# Altium PCB Battery Management System.PcbDoc (continued)
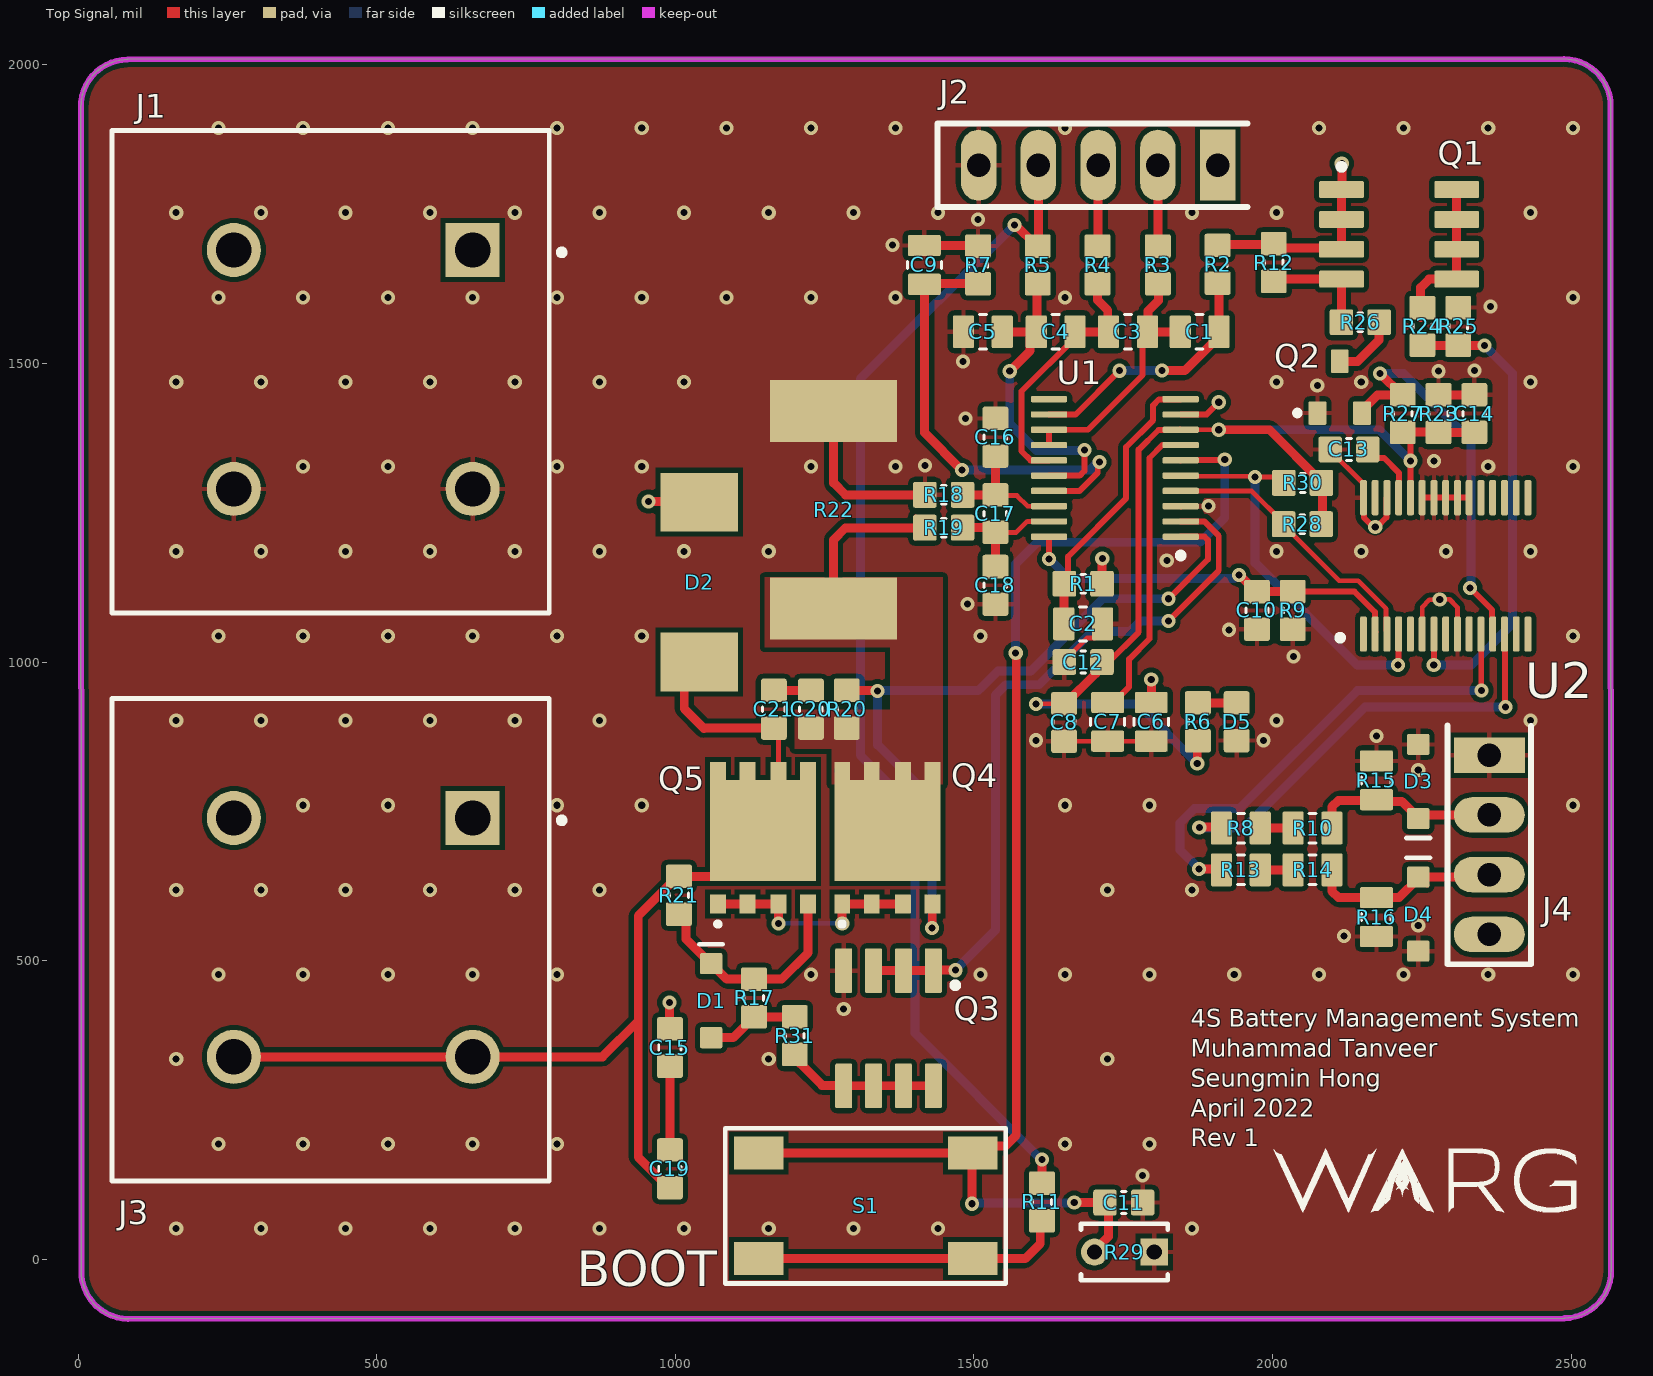
[diagram p0: Top Signal view]
## Components (designator, comment, footprint, x,y, rotation, side; value= is the part's Value field where it differs from the comment)
C1 "CAP_1uF_50V_0805" CAP0805 1878,1553 r0 top value=1uF
C2 "CAP_10uF_50V_0805" CAP0805 1683,1064 r180 top value=10μF
C3 "CAP_1uF_50V_0805" CAP0805 1758,1553 r0 top value=1uF
C4 "CAP_1uF_50V_0805" CAP0805 1637,1553 r0 top value=1uF
C5 "CAP_1uF_50V_0805" CAP0805 1515,1553 r0 top value=1uF
C6 "CAP_1uF_50V_0805" CAP0805 1797,900 r90 top value=1uF
C7 "CAP_1uF_50V_0805" CAP0805 1724,900 r90 top value=1uF
C8 "CAP_4.7uF_25V_0603" CAP0603 1651,899 r90 top value=4.7uF
C9 "CAP_1uF_50V_0805" CAP0805 1417,1665 r270 top value=1uF
C10 "CAP_470pF_100V_0603" CAP0603 1974,1086.5 r90 top value=470pF
C11 "CAP_4700pF_100V_0603_TDK" CAP0603 1751,95 r180 top value=4700pF
C12 "CAP_4.7uF_25V_0603" CAP0603 1683,1000 r0 top value=4.7uF
C13 "CAP_0.1uF_25V_0603" CAP0603 2128,1356 r0 top value=0.1uF
C14 "CAP_0.1uF_50V_0603" CAP0603 2338,1416 r270 top value=0.1uF
C15 "CAP_0.1uF_50V_0603" CAP0603 991,354.5 r90 top value=0.1uF
C16 "CAP_0.1uF_50V_0603" CAP0603 1536,1376.5 r270 top value=0.1uF
C17 "CAP_0.1uF_50V_0603" CAP0603 1536,1248.5 r270 top value=0.1uF
C18 "CAP_0.1uF_50V_0603" CAP0603 1536,1128.5 r270 top value=0.1uF
C19 "CAP_0.1uF_50V_0603" CAP0603 991,151.5 r90 top value=0.1uF
C20 "CAP_0.1uF_50V_0603" CAP0603 1227,921 r90 top value=0.1uF
C21 "CAP_0.1uF_50V_0603" CAP0603 1165,921 r270 top value=0.1uF
D1 "DIO_100V_150mA" DIO-SOD123 1060,433 r90 top
D2 "DIO_600V_3A" SMC 1040,1133.86 r90 top
D3 "DIO_ZENER_5.6V" DIO-SOD123 2244,800 r270 top
D4 "DIO_ZENER_5.6V" DIO-SOD123 2244,578 r90 top
D5 "LED_GREEN_2.1V_0603" LED0603 1940,900 r270 top
J1 "CON_2POS_SCREW_TERM" 1773976 423,1486 r270 top
J2 "CON_5X1_2.54MM_MALE_TH_HDR_2" 0022032051 1908,1832 r180 top
J3 "CON_2POS_SCREW_TERM" 1773976 423,535 r270 top
J4 "CON_4POSX2.54_MALE_HDR_UNSHROUDED" 0022032041 2363,844 r270 top
Q1 "PMOS_50V_130mA" 8SOIC 2212,1717 r0 top
Q2 "NMOS_50V_500mA" SOT23-3 2075.2,1417 r90 top
Q3 "PMOS_50V_130mA" 8SOIC 1357.82,386.82 r270 top
Q4 "NMOS_30V_87A" CSD17522Q5A 1355,706 r90 top
Q5 "NMOS_30V_87A" CSD17522Q5A 1147,706 r90 top
R1 "RES_0Ω_0603" RES0603 1683,1131 r0 top value=100Ω
R2 "RES_0Ω_0603" RES0603 1908,1666 r270 top value=100Ω
R3 "RES_0Ω_0603" RES0603 1808,1665 r270 top value=100Ω
R4 "RES_0Ω_0603" RES0603 1707,1665 r270 top value=100Ω
R5 "RES_0Ω_0603" RES0603 1607,1665 r270 top value=100Ω
R6 "RES_3kΩ_0603_1%" RES0603 1875,900 r270 top
R7 "RES_0Ω_0603" RES0603 1507,1665 r270 top value=100Ω
R8 "100Ω" RES0805 1947,722 r0 top value=1MΩ
R9 "RES_1MΩ_0603_1%" RES0603 2034,1086.5 r90 top value=1MΩ
R10 "100Ω" RES0805 2067,722 r0 top value=1MΩ
R11 "RES_3.01kΩ_0603_1%" RES0603 1614,96 r270 top
R12 "RES_100kΩ_0603_1%" RES0603 2002,1669 r90 top value=100kΩ
R13 "100Ω" RES0805 1947,652 r0 top value=1MΩ
R14 "100Ω" RES0805 2067,652 r0 top value=1MΩ
R15 "1MΩ" RES0805 2174,802 r270 top
R16 "1MΩ" RES0805 2174,573 r90 top
R17 "RES_1MΩ_0603_1%" RES0603 1132,437.5 r270 top value=1MΩ
R18 "RES_0Ω_0603" RES0603 1449.5,1280 r0 top value=100Ω
R19 "RES_0Ω_0603" RES0603 1449.5,1225 r0 top value=100Ω
R20 "RES_1MΩ_0603_1%" RES0603 1287,921 r90 top value=1MΩ
R21 "RES_1MΩ_0603_1%" RES0603 1006,609.5 r270 top value=1MΩ
R22 "RES_200µΩ_3920_1%" CSS2H-3920R-L200F 1265,1255 r270 top
R23 "RES_100kΩ_0603_1%" RES0603 2278,1416 r270 top value=100kΩ
R24 "RES_330kΩ_0603_1%" RES0603 2251,1562 r90 top
R25 "RES_20kΩ_0603_1%" RES0603 2311,1562 r270 top
R26 "RES_100kΩ_0603_1%" RES0603 2147,1569 r180 top value=100kΩ
R27 "RES_100kΩ_0603_1%" RES0603 2218,1416 r90 top value=100kΩ
R28 "RES_10kΩ_0603_1%" RES0603 2050,1230.87 r0 top value=10kΩ
R29 "NTC_THERM_10kΩ_1%" RES_SEMITEC_10K 1752,12 r180 top value=10kΩ
R30 "RES_10kΩ_0603_1%" RES0603 2050.5,1300 r0 top value=10kΩ
R31 "RES_1kΩ_0603_1%" RES0603 1200,374.5 r270 top value=1kΩ
S1 "SWITCH_SPST_NO" TL3301NF160QG/TR 1139.73,1 r0 top
U1 "BQ7692006PWR" BQ7692006PWR 1736,1325 r180 top
U2 "BQ78350DBTR-R1A" BQ78350DBTR-R1A 2290,1161 r90 top

## Footprints (in the part's own frame and the unit in brackets; to place one, negate y for a bottom-side part, rotate by r counter-clockwise, add the part's x,y. Pads: shape width x height; smd on the part's side, far side on the other; paste and mask are expansions set on the pad)
8SOIC [mm] "MOSFET P-CH 30V 14A SO-8"
  rrect15% 1.9x0.72 smd: 1(-2.45,-0.656) 1(-2.45,0.614) 1(-2.45,1.884) 2(-2.45,-1.926) 3(2.45,-1.926) 3(2.45,-0.656) 3(2.45,0.614) 3(2.45,1.884)
  silkscreen extent -2.57,2.73 -2.32,2.97, body extent -3,-2.45 3,2.45, height 1.75
1773976 [mm]
  rect 2.3x2.3 hole 1.5 paste-1000 mask+0: 1(-5.18,6.04)
  round 2.3 hole 1.5 paste-1000 mask+0: 1(-5.18,-4.12) 2(4.98,6.04) 2(4.98,-4.12)
  silkscreen extent -10.26,-9.3 10.26,9.95, body extent -11.21,-9.4 10.36,9.4, height 0.25
0022032041 [mm] "Male 4 Pin Hdr Unshrouded"
  rect 1.508x3.016 hole 1: 1(0,0)
  oval 1.508x3.016 hole 1: 2(2.54,0) 3(5.08,0) 4(7.62,0)
  silkscreen extent -1.27,-1.78 8.89,1.78, body extent -1.14,-1.17 8.76,1.17, height 10.8
0022032051 [mm] "5 Pin Male Header"
  rect 1.508x3.016 hole 1: 1(0,0)
  oval 1.508x3.016 hole 1: 2(2.54,0) 3(5.08,0) 4(7.62,0) 5(10.16,0)
  silkscreen extent -1.27,-1.78 11.91,1.78, body extent -1.14,-1.17 11.3,1.17, height 10.8
BQ78350DBTR-R1A [mm]
  rrect50% 1.5x0.297 smd: 1(-2.9,3.5) 2(-2.9,3) 3(-2.9,2.5) 4(-2.9,2) 5(-2.9,1.5) 6(-2.9,1) 7(-2.9,0.5) 8(-2.9,0) 9(-2.9,-0.5) 10(-2.9,-1) 11(-2.9,-1.5) 12(-2.9,-2) 13(-2.9,-2.5) 14(-2.9,-3) 15(-2.9,-3.5) 16(2.9,-3.5) 17(2.9,-3) 18(2.9,-2.5) 19(2.9,-2) 20(2.9,-1.5) 21(2.9,-1) 22(2.9,-0.5) 23(2.9,0) 24(2.9,0.5) 25(2.9,1) 26(2.9,1.5) 27(2.9,2) 28(2.9,2.5) 29(2.9,3) 30(2.9,3.5)
  silkscreen extent -3.18,4.36 -2.93,4.61, body extent -3.2,-3.9 3.2,3.9, height 1.13
BQ7692006PWR [mm] "IC BATT MON MULTI 3-5C 20TSSOP"
  rrect50% 1.55x0.27 smd: 1(-2.8,2.925) 2(-2.8,2.275) 3(-2.8,1.625) 4(-2.8,0.975) 5(-2.8,0.325) 6(-2.8,-0.325) 7(-2.8,-0.975) 8(-2.8,-1.625) 9(-2.8,-2.275) 10(-2.8,-2.925) 11(2.8,-2.925) 12(2.8,-2.275) 13(2.8,-1.625) 14(2.8,-0.975) 15(2.8,-0.325) 16(2.8,0.325) 17(2.8,0.975) 18(2.8,1.625) 19(2.8,2.275) 20(2.8,2.925)
  silkscreen extent -2.93,3.6 -2.68,3.85, body extent -3.2,-3.25 3.2,3.25, height 1.13
CAP0603 [mm] "Ceramic Capacitor 0603"
  rrect20% 1x1.1 smd: 1(-0.8,0) 2(0.8,0)
  silkscreen extent -0.1,-0.48 0.1,0.48, body extent -0.87,-0.48 0.88,0.48, height 0.87
CAP0805 [mm] "Ceramic Capacitor 0805"
  rrect15% 0.9x1.4 smd: 1(-0.825,0) 2(0.825,0)
  silkscreen extent -0.15,-0.72 0.15,0.72, body extent -1.1,-0.73 1.1,0.73, height 1.39
CSD17522Q5A [mm]
  rect 4.295x4.51 smd paste-3: 1(0.301,0)
  rect 0.8x0.675 smd paste-1: 1(2.825,-1.917) 1(2.825,-0.66) 1(2.825,0.66) 1(2.825,1.917) 2(-2.826,-1.917) 3(-2.826,-0.66) 3(-2.826,0.66) 3(-2.826,1.917)
  silkscreen extent -3.72,1.88 -3.63,1.97, body extent -3.13,-2.45 3.13,2.45, height 1.16
CSS2H-3920R-L200F [mm]
  rect 2.65x5.4 smd: 1(-4.2,0) 2(4.2,0)
  body extent -5.02,-2.6 5.02,2.6, height 1.3
DIO-SOD123 [mm]
  rrect15% 0.9x0.95 smd: 1(-1.575,0) 2(1.575,0)
  silkscreen extent 2.4,-0.5 2.4,0.5, body extent -1.92,-0.84 1.93,0.86, height 1.46
LED0603 [mm] "Generic LED in 0603 package"
  rrect20% 1x1.1 smd: 1(-0.8,0) 2(0.8,0)
  body extent -0.81,-0.4 0.81,0.4, height 0.6
RES0603 [mm] "SMT Resistor 0603"
  rrect15% 1x1.1 smd: 1(-0.8,0) 2(0.8,0)
  silkscreen extent -0.1,-0.4 0.1,0.4, body extent -0.8,-0.4 0.8,0.4, height 0.46
RES0805 [mm] "SMT Resistor 0805"
  rrect15% 0.9x1.4 smd: 1(-0.825,0) 2(0.825,0)
  silkscreen extent -0.15,-0.63 0.15,0.63, body extent -1,-0.62 1,0.63, height 0.61
RES_SEMITEC_10K [mm]
  rect 1.15x1.15 hole 0.65 paste-1000 mask+0: 1(-1.27,0)
  round 1.15 hole 0.65 paste-1000 mask+0: 2(1.27,0)
  silkscreen extent -1.85,-1.2 1.85,1.2, body extent -1.95,-1.3 1.95,1.3, height 0.25
SMC [mm]
  rect 2.5x3.3 smd: 1(-3.4,0) 2(3.4,0)
  body extent -3.97,-2.95 3.97,2.95, height 2.5
SOT23-3 [mm] "SOT23, 3-Leads, Body 2.90x2.30mm, Pitch 0.95mm, IPC Medium Density"
  rrect15% 1x0.764 smd: 1(0,0) 2(0,-1.9) 3(2.2,-0.95)
  silkscreen extent -0.1,0.75 0.1,0.95, body extent -0.15,-2.45 2.45,0.55, height 1.1
TL3301NF160QG/TR [mm]
  rect 2.1x1.4 smd: 1(0,0) 2(9.1,0) 3(0,4.5) 4(9.1,4.5)
  silkscreen extent -1.42,-1.06 10.5,5.55, body extent -0.5,-0.7 9.5,5.3, height 4.41

## Part data
C1 C3 C4 C5 C6 C7 C9: library part CAP_1uF_50V_0805_MURATA, "CAP CER 1UF 50V X7R ±10% 0805", Manufacturer 1="Murata Electronics", Manufacturer Part Number 1=GCJ21BR71H105KA01L, Package=0805, Supplier Part Number 1=490-10667-1-ND, Temperature Coefficient=X7R, Tolerance=±10%, Voltage=50V, Mounting Type="Surface Mount", Supplier 1=Digi-Key
C2: library part CAP_10uF_50V_0805_MURATA, "CAP CER 10UF 50V X5R ±10% 0805", LCSC Part #=C440198, Manufacturer 1="Murata Electronics", Manufacturer Part Number 1=GRM21BR61H106KE43L, Package=0805, Temperature Coefficient=X5R, Tolerance=±10%, Voltage=50V, Mounting Type="Surface Mount", Supplier 1=LCSC, Supplier 2=Digi-Key, Supplier Part Number 1=C440198, Supplier Part Number 2=490-18663-1-ND
C8 C12: library part CAP_4.7uF_25V_0603_MURATA, "CAP CER 4.7UF 25V X6S ±10% 0603", Manufacturer 1="Murata Electronics", Manufacturer Part Number 1=GRM188C81E475KE11D, Package=0603, Supplier Part Number 1=490-7199-1-ND, Temperature Coefficient=X6S, Tolerance=±10%, Voltage=25V, Mounting Type="Surface Mount", Supplier 1=Digi-Key
C10: library part CAP_470pF_100V_0603_MURATA, "CAP CER 470PF 100V C0G/NP0 ±5% 0603", Manufacturer 1="Murata Electronics", Manufacturer Part Number 1=GCM1885C2A471JA16D, Package=0603, Supplier Part Number 1=490-4949-1-ND, Temperature Coefficient=C0G/NP0, Tolerance=±5%, Voltage Rating=100V, Mounting Type="Surface Mount", Supplier 1=Digi-Key
C11: "CAP CER 4700PF 100V X7R 0603", Manufacturer 1="TDK Corporation", Manufacturer Part Number 1=CGA3E2X7R2A472K080AA, Package=0603, Supplier Part Number 1=445-5810-1-ND, Temperature Coefficient=C0G/NP0, Tolerance=±10%, Voltage Rating=100V, Mounting Type="Surface Mount", Supplier 1=Digi-Key
C13: library part CAP_0.1uF_25V_0603_MURATA, "CAP CER 0.1UF 25V X7R ±10% 0603", Manufacturer 1="Murata Electronics", Manufacturer Part Number 1=GCM188R71E104KA57D, Package=0603, Supplier Part Number 1=490-6051-1-ND, Temperature Coefficient=X7R, Tolerance=±10%, Voltage=25V, Mounting Type="Surface Mount", Supplier 1=Digi-Key
C14 C15 C16 C17 C18 C19 C20 C21: library part CAP_0.1uF_50V_0603_KEMET, "CAP CER 0.1UF 50V X7R ±10% 0603", Manufacturer 1="Walsin Technology Corporation", Manufacturer Part Number 1=0603B104K500CT, Package=0603, Supplier Part Number 1=1292-1643-1-ND, Temperature Coefficient=X7R, Tolerance=±10%, Voltage=50V, Mounting Type="Surface Mount", Supplier 1=DigiKey
D1: "DIODE GEN PURP 100V 150MA SOD123", Forward Voltage="0.855V @ 10mA", Manufacturer 1="Diodes Incorporated", Manufacturer Part Number 1=DDZ5V6B-7, Maximum Power=400mW, Package=SOD-123, Reverse Leakage Current="1 μA @ 75V", Supplier Part Number 1=BAV16W-FDICT-ND, Mounting Type="Surface Mount", Supplier 1=Digi-Key
D2: "DIODE GEN PURP 600V 3A SMC", Average Rectified Current=3A, Continuous Reverse Voltage (Max)=600V, Forward Voltage=1.15V, Manufacturer 1="Diodes Incorporated", Manufacturer Part Number 1=S3J-13-F, Package=SMC, Reverse Leakage Current="10 μA @ 600V", Supplier Part Number 1=S3J-FDICT-ND, Mounting Type="Surface Mount", Supplier 1=Digi-Key
D3 D4: "DIODE ZENER 5.6V 370MW SOD123", Forward Voltage="900 mV @ 10 mA", Manufacturer 1="Diodes Incorporated", Manufacturer Part Number 1=BZT52C5V6-13-F, Maximum Power=370mW, Package=SOD-123, Reverse Leakage Current="1 µA @ 2 V", Supplier Part Number 1=BZT52C5V6-13-FDICT-ND, Zener Voltage=5.6V, Mounting Type="Surface Mount", Supplier 1=Digi-Key
D5: "LED GREEN 2.1V 0603", Color=Green, Forward Voltage=2.1V, Manufacturer 1=SunLED, Manufacturer Part Number 1=XZVG53W-8, Package=0603, Supplier Part Number 1=1497-1215-1-ND, Mounting Type="Surface Mount", Supplier 1=Digi-Key
J1 J3: library part "TERM BLK 2P SIDE ENT 10.16MM PCB", "TERM BLK 2P SIDE ENT 10.16MM PCB", Manufacturer 1=1773976, Supplier Part Number 1=277-5761-ND, Manufacturer Part Number 1=1773976, Mounting Type="Through Hole", Pitch=5mm, Supplier 1=Digi-Key
J2: "CONN HEADER VERT 5POS 2.54MM", Manufacturer 1=Molex, Manufacturer Part Number 1=0022102051, Supplier Part Number 1=23-0022102051-ND, Connector Type=Header, Contact Type="Male Pin", Mounting Type="Through Hole", Number of Positions=5, Number of Rows=1, Pitch=2.54mm, Supplier 1=Digi-Key
J4: "CONN HEADER VERT 4POS 2.54MM. Connector Header Through Hole 4 position 0.100\" (2.54mm).", Manufacturer 1=Molex, Manufacturer 1 Part Number=0022032041, Supplier Part Number 1=WM4002-ND, Supplier 1=Digi-Key
Q1 Q3: "MOSFET P-CH 50V 130mA SOT323", Continuous Drain Current (Id)=-130mA, Drain to Source Resistance (Rds(on)) Max.=10Ω, Drain to Source Voltage (Vdss) Max.=-50V, Gate Threshold Voltage (Vgs(th))=-1.6V, Gate to Source Voltage (Vgs)=±20V, Manufacturer 1="Diodes Incorporated", Manufacturer Part Number 1=BSS84W-7-F, Package=SOT-323, Supplier Part Number 1=BSS84W-FDICT-ND, Supplier 1=Digi-Key
Q2: "MOSFET N-CH 50V 500MA SOT23", Continuous Drain Current (Id) TA=25°C=500mA, Drain to Source Resistance On (Rds(on)) Max.=1.6Ω, Drain to Source Voltage (Vdss) Max.=50V, Gate to Source Voltage (Vgs) Max. @ Vgs = 4.5V=±20V, Gate to Source Voltage Threshold (Vgs(th)) Max.=1.5V, Manufacturer 1="Diodes Incorporated", Manufacturer Part Number 1=DMN53D0LQ-7, Package=SOT23-3, Supplier Part Number 1=DMN53D0LQ-7DICT-ND, FET Type=N-Channel, Mounting Type="Surface Mount", Supplier 1=Digi-Key
Q4 Q5: "MOSFET N-CH 30V 87A 8VSON", Manufacturer 1="Infineon Technologies", Manufacturer Part Number 1=CSD17522Q5A, Max Power Dissipation=3W, Supplier Part Number 1=296-29020-1-ND, Supplier 1=Digi-Key
R1 R2 R3 R4 R5 R7 R18 R19: library part RES_100Ω_0603, "RES 100 OHM 5% 1/10W 0603", Manufacturer 1=YAGEO, Manufacturer Part Number 1=RC0603JR-13100RL, Package=0603, Power Rating=1/10W, Supplier Part Number 1=13-RC0603JR-13100RLCT-ND, Mounting Type="Surface Mount", Supplier 1=Digi-Key
R6: "RES 3K OHM 1% 1/10W 0603", Manufacturer 1=YAGEO, Manufacturer Part Number 1=RC0603FR-073KL, Package=0603, Power Rating=1/10W, Resistance=3kΩ, Supplier Part Number 1=311-3.00KHRCT-ND, Tolerance=±1%, Mounting Type="Surface Mount", Supplier 1=Digi-Key
R8 R10 R13 R14 R15 R16: library part RES_0805, "RES 100 OHM 1% 1/10W 0805"
R9 R17 R20 R21: library part RES_1MΩ_0603_5%, "RES 1M OHM 5% 1/10W 0603", Manufacturer 1="Stackpole Electronics Inc", Manufacturer Part Number 1=RMCF0603JT1M00, Package=0603, Power Rating=1/10W, Supplier Part Number 1=RMCF0603JT1M00CT-ND, Tolerance=±5%, Mounting Type="Surface Mount", Supplier 1=Digi-Key
R11: "RES 3.01K OHM 1% 1/10W 0603", Manufacturer 1=YAGEO, Manufacturer Part Number 1=RC0603FR-073K01L, Package=0603, Power Rating=1/10W, Resistance=3.01kΩ, Supplier Part Number 1=311-3.01KHRCT-ND, Tolerance=±1%, Mounting Type="Surface Mount", Supplier 1=Digi-Key
R12 R23 R26 R27: "RES 100K OHM 1% 1/10W 0603", Manufacturer 1="Stackpole Electronics Inc", Manufacturer Part Number 1=RMCF0603FT100K, Package=0603, Power Rating=1/10W, Supplier Part Number 1=RMCF0603FT100KCT-ND, Tolerance=±1%, Mounting Type="Surface Mount", Supplier 1=Digi-Key
R22: "RES SMD 200 UOHM 1% 12W 3920", Resistance=200µΩ, Supplier Part Number 1=CSS2H-3920R-L200FCT-ND, Supplier 1=Digi-Key
R24: "RES 330K OHM ±1% 1/10W 0603", Manufacturer 1="Stackpole Electronics Inc", Manufacturer Part Number 1=RMCF0603FT330K, Package=0603, Power Rating=1/10W, Resistance=330kΩ, Supplier Part Number 1=RMCF0603FT330KCT-ND, Tolerance=±1%, Mounting Type="Surface Mount", Supplier 1=Digi-Key
R25: "RES 20K OHM ±1% 1/10W 0603", Manufacturer 1=YAGEO, Manufacturer Part Number 1=RC0603FR-0720KL, Package=0603, Power Rating=1/10W, Resistance=20kΩ, Supplier Part Number 1=311-20.0KHRCT-ND, Tolerance=±1%, Mounting Type="Surface Mount", Supplier 1=Digi-Key
R28 R30: "RES 10K OHM ±1% 1/10W 0603", Manufacturer 1="Stackpole Electronics Inc", Manufacturer Part Number 1=RMCF0603FT10K0, Package=0603, Power Rating=1/10W, Supplier Part Number 1=RMCF0603FT10K0CT-ND, Tolerance=±1%, Mounting Type="Surface Mount", Supplier 1=Digi-Key
R29: "NTC Thermistors 10kohm 1%", Manufacturer 1=Semitec, Manufacturer Part Number 1=103AT-2, Package=Bulk, Supplier Part Number 1=954-103AT-2, Tolerance=±1%, Supplier 1=Mouser
R31: "RES 1K OHM 1% 1/10W 0603", Manufacturer 1="Stackpole Electronics Inc", Manufacturer Part Number 1=RMCF0603FT1K00, Package=0603, Power Rating=1/10W, Supplier Part Number 1=RMCF0603FT1K00CT-ND, Tolerance=±1%, Mounting Type="Surface Mount", Supplier 1=Digi-Key
S1: "SWITCH TACTILE SPST-NO 0.05A 12V", Manufacturer 1=E-Switch, Manufacturer Part Number 1=TL3301NF160QG/TR, Supplier Part Number 1=EG1867CT-ND, Circuit=SPST-NO, Mounting Type="Surface Mount", Supplier 1=Digi-Key
U1: "IC BATT MGMT LI-ION AFE 20TSSOP", Manufacturer 1="Texas Instruments", Supplier Part Number 1=296-39960-1-ND, Manufacturer Part Number 1=BQ7692006PWR, Mounting Type="Surface Mount", Supplier 1=Digi-Key, Supplier 2=LCSC
U2: "IC BATT MON LI-ION 3-15C 30TSSOP", Manufacturer 1="Texas Instruments", Supplier Part Number 1=296-BQ78350DBTR-R1ACT-ND, Manufacturer Part Number 1=BQ78350DBTR-R1A, Mounting Type="Surface Mount", Supplier 1=Digi-Key, Supplier 2=LCSC

## Via types
v1: diameter 23.62, hole 11.81, Top Signal to Bottom Signal, 134 vias
v2: diameter 23.62, hole 11.81, Top Signal to Bottom Signal, tented both sides, 66 vias

## Nets (pads, with @x,y where several pads share a name; then routed paths per layer and width w, separated by ;. In a path a pad name is that pad's centre, name@x,y a point inside that pad or via, vN(x,y) a via of type N, cw(c..) or ccw(c..) an arc to the next point about the centre after c; other vN are vias at no path point)
BATT+: C6.2 C15.2 D2.2 J1.1 J2.1 J3.1 Q1.1 R1.2 R2.1 R12.2 U1.9 | length 646.1
  Top Signal w8: J3.1@660.8,738.94 J3.1@661.86,740 ; J1.1@660.8,1689.94 J1.1@664.12,1686.62 ; C15.2@990,386.99 C15.2 ; D2.2@1038.86,1268.86 D2.2 ; R1.2 R1.2@1715,1131.5 ; R2.1 R2.1@1909.5,1699 ; R12.2@2000.5,1699 R12.2 R12.2@2009,1693.5 ; Q1.1@2113.23,1693.5 Q1.1@2115.54,1691.18 ; Q1.1@2115.54,1791.18 Q1.1@2116,1791.64
  Top Signal w10: U1.9@1846.41,1414.4 1846.89,1414.88 1889.88,1414.88 v2(1910,1435)
  Top Signal w15: v2(955,1268.86) D2.2@1038.86,1268.86 ; C15.2@990,386.99 v2(990,430) ; R1.2@1715,1131.5 1714.75,1131.76 1714.75,1173.06 v2(1715,1173.31) ; C6.2 v2(1797,971) ; R2.1@1909.5,1699 R12.2@2000.5,1699 ; R12.2@2009,1693.5 Q1.1@2113.23,1693.5 ; Q1.1@2115.54,1691.18 2115.54,1741.18 Q1.1@2115.54,1791.18 ; Q1.1@2116,1791.64 v2(2116,1835)
BATT-: C2.1 C5.1 C6.1 C7.1 C8.1 C9.1 C10.1 C11.1 C12.1 C13.1 C14.1 C16.1 C18.2 D3.1 D4.1 D5.2 J1.2 J2.5 J4.1 Q2.1 Q3.2 R7.1 R9.1 R15.1 R16.1 R18.1 R22.1 R23.1 R25.1 R29.1 U1.3 U2.6 U2.9 U2.21 U2.22 U2.23 U2.24 U2.25 U2.28 U2.30 | length 1157
  Top Signal w8: R22.1@1265,1415 R22.1 ; Q3.2 Q3.2@1282.18,483.46 ; C5.1@1482,1552.48 C5.1 ; R7.1@1506.02,1697.48 R7.1 R7.1@1508,1697.5 ; C8.1@1649.5,869 C8.1 C7.1 C6.1 C6.1@1803,873.52 ; C12.1 1651.5,1001.97 1689.98,1040.44 1701.76,1040.44 1715.48,1054.16 C2.1 ; U1.3 U1.3@1846.41,1260.85 ; D5.2 D5.2@1940.5,869 ; C10.1@1973,1054 C10.1 ; C13.1@2096.5,1357.97 C13.1 2096.5,1354.03 2149.83,1300.7 U2.30@2150.36,1300.7 ; U2.6 2250.63,1091.97 2262.84,1104.18 2279.18,1104.18 v2(2280,1105) 2296.34,1105 2309.68,1091.65 U2.9 ; U2.21 U2.21@2329.58,1275.38
  Top Signal w10: U1.3@1846.41,1260.85 U1.3@1846.58,1261.02 ; U2.30 2153.05,1274.33 2153.05,1241.97 2169.18,1225.83 2174.59,1225.83 2190.73,1241.97 2190.73,1274.33 U2.28 ; U2.25 U2.24 ; U2.24@2270.66,1275.52 U2.24 ; U2.21 U2.22 U2.23 U2.24
  Top Signal w15: R22.1@1259.65,1415 R22.1 ; R22.1@1265,1415 1265,1300 1285,1280 R18.1 ; C9.1 R7.1@1506.02,1697.48 ; C2.1 C2.1@1715.48,1073.84 ; R16.1@2173.74,540.26 R16.1 ; D3.1@2238.52,867.49 D3.1 ; R23.1 C14.1 ; R25.1 R25.1@2313,1595.5
  other v1: 164.32,51.59 306.05,51.59 447.78,51.59 589.52,51.59 731.25,51.59 872.98,51.59 1014.71,51.59 1156.44,51.59 1298.18,51.59 1439.91,51.59 1865.1,51.59 235.19,193.32 376.92,193.32 518.65,193.32 660.38,193.32 802.11,193.32 1652.51,193.32 1794.24,193.32 164.32,335.05 1156.44,335.05 1723.37,335.05 235.19,476.78 376.92,476.78 518.65,476.78 660.38,476.78 802.11,476.78 1227.31,476.78 1510.77,476.78 1652.51,476.78 1794.24,476.78 1935.97,476.78 2077.7,476.78 2219.43,476.78 2361.17,476.78 2502.9,476.78 164.32,618.52 306.05,618.52 447.78,618.52 589.52,618.52 731.25,618.52 872.98,618.52 1723.37,618.52 1865.1,618.52 376.92,760.25 518.65,760.25 802.11,760.25 943.85,760.25 1652.51,760.25 1794.24,760.25 2502.9,760.25 164.32,901.98 306.05,901.98 447.78,901.98 589.52,901.98 731.25,901.98 872.98,901.98 2006.84,901.98 2432.03,901.98 235.19,1043.71 376.92,1043.71 518.65,1043.71 660.38,1043.71 802.11,1043.71 943.85,1043.71 1510.77,1043.71 2502.9,1043.71 164.32,1185.44 306.05,1185.44 447.78,1185.44 589.52,1185.44 731.25,1185.44 872.98,1185.44 1014.71,1185.44 1156.44,1185.44 2006.84,1185.44 2148.57,1185.44 2290.3,1185.44 2432.03,1185.44 376.92,1327.18 518.65,1327.18 802.11,1327.18 943.85,1327.18 1227.31,1327.18 1369.04,1327.18 2361.17,1327.18 2502.9,1327.18 164.32,1468.91 306.05,1468.91 447.78,1468.91 589.52,1468.91 731.25,1468.91 872.98,1468.91 1014.71,1468.91 2006.84,1468.91 2148.57,1468.91 2432.03,1468.91 235.19,1610.64 376.92,1610.64 518.65,1610.64 660.38,1610.64 802.11,1610.64 943.85,1610.64 1085.58,1610.64 1227.31,1610.64 1369.04,1610.64 1652.51,1610.64 2502.9,1610.64 164.32,1752.37 306.05,1752.37 447.78,1752.37 589.52,1752.37 731.25,1752.37 872.98,1752.37 1014.71,1752.37 1156.44,1752.37 1298.18,1752.37 1439.91,1752.37 1865.1,1752.37 2006.84,1752.37 2432.03,1752.37 235.19,1894.1 376.92,1894.1 518.65,1894.1 660.38,1894.1 802.11,1894.1 943.85,1894.1 1085.58,1894.1 1227.31,1894.1 1369.04,1894.1 1652.51,1894.1 2077.7,1894.1 2219.43,1894.1 2361.17,1894.1 2502.9,1894.1
  other v2: 1782,140 1282,419 2120,541 2244,559 2244,819 1604,869 1985,869 2174,876 2035,1009 1927,1054 1489,1097 1823,1170 2172,1225.83 1892.69,1261 1418,1329 2270.66,1336.66 1486,1408 2075,1463 2278,1487 2338,1488 1482,1503 2365,1595.5 1364,1698 1507,1741
"CELL 1": J2.4 R5.1 R11.1 | length 2020.5
  Top Signal w8: v2(1568,1732) v2@1569.53,1732 ; R5.1@1604.03,1697.5 R5.1@1608,1697.5
  Top Signal w15: v2@1569.53,1732 R5.1@1604.03,1697.5 ; R5.1@1608,1697.5 J2.4 ; v2(1614,167) 1614,136.46 R11.1@1615.97,134.5
  Bottom Signal w8: v2@1613,167 v2(1614,167)
  Bottom Signal w15: v2(1568,1732) 1310,1474 1310,844 1401,753 1401,379 v2@1613,167
CHG: Q3.1 U1.2 | length 1217.1
  Top Signal w10: v2(1826,1069) 1910,1153 1910,1211.44 1886.32,1235.12 1846.55,1235.12 U1.2
  Top Signal w15: Q3.1@1332.18,483.46 1382.18,483.46 Q3.1@1432.18,483.46 ; Q3.1@1432.57,483.46 1433.12,484 v2(1469,484)
  Bottom Signal w15: v2(1469,484) 1536,551 1536,944.43 1553.57,962 1609,962 1698.38,1051.38 1762.15,1051.38 1779.77,1069 1825,1069 v2@1825.5,1068.5
DSG: Q4.2 R20.2 U1.1 | length 1247.7
  Top Signal w10: v2(1826,1106) 1892,1172 1892,1203.98 1886.14,1209.84 U1.1
  Top Signal w15: R20.2 v2@1337.5,952.5 ; v2(1430,555) 1430.25,555.25 1430.25,594.48 Q4.2
  Bottom Signal w8: 1507.25,952.25 1510.64,955.64
  Bottom Signal w15: v2(1338.75,951.25) 1338.75,861.25 1430,770 v2(1430,555) ; v2@1340,952.25 1507.25,952.25 ; 1510.64,955.64 1540,985 1595,985 1716,1106 v2(1826,1106)
NetC1_1: C1.1 C3.2 R3.2 U1.13 U1.14 | length 428.6
  Top Signal w8: C3.2 C3.2@1791.87,1554.39 ; R3.2 R3.2@1809,1632.5
  Top Signal w10: U1.14 U1.13 1690.98,1388.98 1782.66,1480.66 C3.2@1782.66,1545.18
  Top Signal w15: C3.2 C1.1 ; C3.2@1791.87,1554.39 1791.87,1587.87 1809,1605 R3.2@1809,1632.5
NetC1_2: C1.2 R2.2 U1.12 | length 420.8
  Top Signal w8: R2.2 R2.2@1910.48,1632.02
  Top Signal w10: U1.12 1670.24,1414.57 v2(1743.52,1487.84)
  Top Signal w15: v2(1815,1488) 1853,1488 C1.2@1910,1545 ; C1.2 R2.2@1910.48,1632.02
  Bottom Signal w8: v2(1743.52,1487.84) v2@1743.6,1487.92 ; v2@1814.92,1487.92 v2(1815,1488)
  Bottom Signal w15: v2@1743.6,1487.92 v2@1814.92,1487.92
NetC2_2: C2.2 R1.1 U1.10 | length 477
  Top Signal w10: R1.1 1657.81,1137.36 1657.81,1176.81 1755,1274 1755,1360 1800,1405 1800,1430 1809.84,1439.84 1845.92,1439.84 U1.10
  Top Signal w15: C2.2@1651.01,1064.49 R1.1@1651.01,1130.51
NetC3_1: C3.1 C4.2 R4.2 U1.15 | length 420.8
  Top Signal w10: U1.15 1595.16,1337.8 1579.75,1353.21 1579.75,1453.43 C4.2@1669.48,1543.16
  Top Signal w15: C4.2 C3.1 ; R4.2 1707,1606 1724.13,1588.87 C3.1@1724.13,1555.39
NetC4_1: C4.1 C5.2 R5.2 U1.16 | length 549
  Top Signal w10: U1.16 1677.2,1312.2 1685,1320 v2(1685,1355)
  Top Signal w15: C5.2 C4.1 1594.3,1542.78 1594.3,1521.3 v2(1560,1487) ; C4.1@1605.76,1554.24 R5.2@1605.76,1632.26
  Bottom Signal w15: v2(1560,1487) 1560,1399 1605,1354 1684,1354 v2(1685,1355)
NetC7_2: C7.2 U1.7 | length 505.2
  Top Signal w10: C7.2 1733.84,932.48 1760,958.64 1760,1005 1794,1039 1794,1341.75 1815.64,1363.39 U1.7
NetC9_2: C9.2 R7.2 U1.17 | length 775.4
  Top Signal w10: U1.17 1677.07,1286.61 1707.39,1316.94 1707.39,1332.39 v2(1710,1335)
  Top Signal w15: C9.2@1417.49,1633.01 1417.49,1383.97 v2(1480,1321.46) ; C9.2@1417.98,1633.5 R7.2
  Bottom Signal w15: v2(1480,1321.46) 1694.13,1321.46 1707.67,1335 v2(1710,1335)
NetC10_2: C10.2 R9.2 U1.20 U2.2 | length 657.8
  Top Signal w10: v2(1626,1172.69) U1.20@1626,1209.53 ; R9.2 2137.32,1117.99 2171.48,1083.84 2171.48,1051.43 U2.2@2172.26,1050.65
  Top Signal w15: v2(1944.02,1146) 1972.03,1117.99 R9.2
  Bottom Signal w15: v2(1626,1172.69) 1658.99,1139.7 1935.39,1139.7 1941.69,1146 v2(1944.02,1146)
NetC13_2: C13.2 U2.27 | length 85.9
  Top Signal w10: C13.2@2173.88,1341.62 2186.92,1341.62 2211.63,1316.91 U2.27@2211.63,1279
NetC15_1: C15.1 C19.2 | length 140
  Top Signal w15: C19.2 C15.1
NetC19_1: C19.1 C21.2 D2.1 J3.2 Q5.1 R21.1 | length 1653.6
  Top Signal w8: C21.2 1173,881.5 Q5.1@1173,817.24
  Top Signal w15: J3.2@260.8,338.94 660.8,338.94 877.97,338.94 938,398.97 ; C19.1@989.03,120 938,171.03 938,398.97 ; R21.1@1004.03,641 938,574.97 938,398.97 ; R21.1 Q5.1@1070.14,641 ; D2.1@1015,1001.14 1015,922.01 1048,889 ; 1048.5,889.5 C21.2
NetC20_1: C20.1 Q4.1 R19.1 R20.1 R22.2 | length 327.1
  Top Signal w8: Q4.1@1279.53,817.22 Q4.1@1279.53,819.68 ; R19.1@1402.32,1207.35 1418.01,1223.03 1418.01,1224.65 R19.1 1418.01,1226.97 1405.82,1239.15 R19.1@1402.32,1242.65
  Top Signal w15: R22.2 1265,1204.65 1285,1224.65 R19.1@1418.01,1224.65
NetC20_2: C20.2 C21.1 | length 62
  Top Signal w15: C21.1 C20.2
NetD1_1: D1.1 R17.2 R31.1 | length 134.5
  Top Signal w15: D1.1 1096.99,370.99 R17.2@1117.85,391.85 ; R17.2 R31.1
NetD1_2: D1.2 Q5.2 R17.1 R21.2 | length 342.6
  Top Signal w15: R21.2@1018.2,565.82 1018.2,535.82 D1.2@1059.02,495.01 ; D1.2@1071.2,483.94 1086.15,468.99 R17.1 1177.85,468.99 1222.49,513.63 1222.49,586.48 1226.23,590.22 Q5.2@1227,590.22
NetD3_2: D3.2 J4.2 R10.2 R15.2 | length 352.5
  Top Signal w8: D3.2 D3.2@2250.01,744
  Top Signal w15: R10.2@2106.29,728.81 R10.2 2099.48,757.48 2110.52,768.52 R15.2@2174,768.52 ; R15.2@2174.47,769.99 2177.74,766.72 2216.17,766.72 2232.8,750.09 2232.8,748.21 2243.02,737.99 D3.2@2243.91,737.99 ; D3.2@2250.01,744 J4.2@2386,744
NetD4_2: D4.2 J4.3 R14.2 R16.2 | length 357.2
  Top Signal w8: R16.2 R16.2@2183.84,605.48 ; D4.2@2243.02,640.01 D4.2 2244.98,640.01 D4.2@2258.7,626.29
  Top Signal w15: R14.2 2099.48,616.52 2110.52,605.48 R16.2 ; R16.2@2183.84,605.48 2211.53,605.48 D4.2@2245.27,639.23 ; D4.2@2244.98,640.01 J4.3@2380.98,640.01
NetD5_1: D5.1 R6.1 | length 65
  Top Signal w15: R6.1 D5.1
NetJ2_2: J2.2 R3.1 | length 135.5
  Top Signal w15: R3.1 J2.2
NetJ2_3: J2.3 R4.1 | length 135.9
  Top Signal w8: R4.1 R4.1@1708,1697.5
  Top Signal w15: R4.1@1708,1697.5 J2.3
NetQ1_2: Q1.2 R12.1 R26.2 | length 187.3
  Top Signal w8: R12.1 R12.1@2005.68,1641.18 ; Q1.2@2115.5,1641.14 Q1.2
  Top Signal w15: R12.1@2005.68,1641.18 Q1.2 ; R26.2 Q1.2@2115.5,1641.14
NetQ1_3: Q1.3 R24.2 | length 266.8
  Top Signal w15: R24.2@2248,1576.5 2248,1627 2262.18,1641.18 2308.46,1641.18 2308.46,1691.18 2308.46,1741.18 Q1.3@2308.46,1791.18
NetQ2_3: Q2.3 R26.1 | length 110.3
  Top Signal w15: Q2.3 2142.61,1503.61 2178.5,1539.5 R26.1
NetQ3_3: Q3.3 R31.2 | length 238.1
  Top Signal w15: R31.2@1209,328 1246,291 Q3.3@1281.72,291 ; Q3.3@1282.18,290.54 1332.18,290.54 1382.18,290.54 Q3.3@1432.18,290.54
NetQ4_3: Q4.3 Q5.3 | length 373.9
  Top Signal w15: Q5.3@1071.51,594.73 1121.02,594.73 1172.98,594.73 v2(1172.98,562.51) ; v2(1279.51,562.51) 1279.51,594.73 1329.02,594.73 Q4.3@1380.98,594.73
  Bottom Signal w8: v2(1172.98,562.51) v2(1279.51,562.51)
NetR8_2: R8.2 R10.1 | length 55
  Top Signal w15: R8.2 R10.1
NetR11_2: R11.2 S1.1 S1.2 | length 879.6
  Top Signal w15: R11.2 1611.11,61.61 1611.11,26.11 1586,1 S1.2 ; S1.2 S1.1 S1.2
NetR13_2: R13.2 R14.1 | length 55
  Top Signal w15: R13.2 R14.1
NetR24_1: R24.1 R25.2 U2.7 | length 806.5
  Top Signal w8: R25.2 R25.2@2312.5,1532
  Top Signal w10: v2(2270,995) 2270.16,995.16 2270.16,1050.13 U2.7@2270.32,1050.28
  Top Signal w15: R24.1@2251,1530 R25.2@2311,1530 ; R25.2@2312.5,1532 2314.24,1530.25 2354.75,1530.25 v2(2355,1530)
  Bottom Signal w15: v2(2270,995) 2332.73,995 2401.65,1063.92 2401.65,1483.35 v2(2355,1530)
NetR28_1: R28.1 U1.4 U2.3 | length 467.3
  Top Signal w8: U1.4 1964.73,1286.61 2018.5,1232.84 R28.1 2018.5,1228.9 2111.41,1136 2143.36,1136 2190.17,1089.19 2190.17,1052.43 U2.3@2191.95,1050.65
NetR30_1: R30.1 U1.5 U2.4 | length 673.4
  Top Signal w8: U1.5 1847.34,1311.1 1969.9,1311.1 v2(1971,1310) 2004.39,1310 R30.1@2007.68,1313.29
  Top Signal w10: v2(2210,995) 2210.63,995.63 2210.63,1049.65 U2.4@2211.26,1050.28
  Bottom Signal w15: v2(1971,1310) 1971,1166 2142,995 v2(2210,995)
REGOUT: C8.2 C12.2 C14.2 R6.2 R23.2 R27.1 R28.2 R30.2 U1.8 U2.26 | length 1847.3
  Top Signal w8: v2(1604,930) 1648.54,930 C8.2@1650.03,931.5 ; U1.8 v2(1910,1389) ; R6.2@1874,867.5 R6.2 ; R27.1 R27.1@2231,1371.5 ; v2(2231,1337) v2@2231.16,1336.84 ; U2.26@2231.16,1279.16 U2.26@2231.32,1279
  Top Signal w10: C12.2@1725.92,1000 1776,1050.08 1776,1355.54 1809.12,1388.66 1844.93,1388.66 U1.8@1845.27,1389 ; U2.26@2230.54,1278.23 U2.26@2231.32,1279 ; v2(2231,1337) R27.1@2231,1371.5 ; U2.26@2231.16,1279.16 v2@2231.16,1336.84
  Top Signal w15: C8.2@1650.03,931.5 C8.2@1651,931.5 ; C8.2@1654.94,931.5 C12.2@1704.28,980.84 ; C12.2 C12.2@1725.92,1000 ; v2(1874,830) R6.2@1874,867.5 ; v2(1910,1389) 1994.96,1389 2080.99,1302.97 R30.2@2080.99,1301.45 ; R28.2@2083.46,1231.87 R30.2@2083.46,1296 ; R27.1@2219.97,1385.5 R23.2@2278,1385.5 ; R23.2 C14.2
  Bottom Signal w15: v2(1604,930) 1774,930 v2(1874,830) ; v2(1910,1389) 2179,1389 v2(2231,1337)
SMBC: R8.1 U2.13 | length 757.1
  Top Signal w10: U2.13 2389.21,1046.04 2389.21,925.79 v2(2390,925)
  Top Signal w15: v2@1877.02,723.62 R8.1@1914.52,723.62
  Bottom Signal w15: v2@1877.02,722 1952,722 2155,925 v2(2390,925)
  other v2: 1877.41,723.23
SMBD: R13.1 U2.11 | length 838.9
  Top Signal w10: R13.1@1901.8,666.34 1914.52,653.62 R13.1 ; U2.11 2349.53,1046.35 2349.53,952.78 v2(2350,952.31)
  Top Signal w15: v2(1877.02,653.62) R13.1@1914.52,653.62
  Bottom Signal w15: v2(1877.02,653.62) 1845,685.64 1845,730.31 1869.69,755 1945,755 2142.31,952.31 v2(2350,952.31)
SRN: C17.2 C18.1 R19.2 U1.19 | length 209.4
  Top Signal w8: C17.2 1570.83,1217 1589.26,1235.43 U1.19
  Top Signal w15: R19.2 1536,1225 C18.1@1536,1167.99
SRP: C16.2 C17.1 R18.2 U1.18 | length 217.6
  Top Signal w8: C17.1 1537.32,1278.68 1572.15,1278.68 1589.8,1261.02 U1.18
  Top Signal w15: R18.2 C17.1 C16.2
TS1: C11.2 R29.2 S1.3 S1.4 U1.6 | length 2363.3
  Top Signal w8: R29.2 R29.2@1702,14.99 ; C11.2 C11.2@1725,89.5
  Top Signal w10: U1.6 1846.55,1338.11 1919.11,1338.11 v2(1920,1339)
  Top Signal w15: S1.3 S1.4 S1.4@1511.78,178.17 ; v2(1497,93) 1497,163.39 S1.4@1511.78,178.17 ; v2(1570,1015) 1570.92,1014.08 1570.92,207.92 1553.05,190.05 1523.67,190.05 S1.4@1511.78,178.17 ; v2(1668,95) C11.2 ; R29.2@1702,14.99 1725,37.99 C11.2@1725,89.5
  Bottom Signal w15: v2(1497,93) 1498,94 1667,94 v2(1668,95) ; v2(1570,1015) 1570,1164.58 1606.04,1200.62 1878.62,1200.62 1920,1242 v2(1920,1339)
VEN: Q2.2 R27.2 U2.12 | length 661.5
  Top Signal w10: v2(2331,1124) 2367.9,1087.1 2367.9,1051.87 U2.12@2369.11,1050.65
  Top Signal w15: Q2.2@2150,1421.65 2175.85,1447.5 2216.03,1447.5 v2@2180.53,1483
  Bottom Signal w15: v2(2180,1483) 2219.38,1483 2332,1370.38 2332,1125 v2(2331,1124)
pads on no net: J4.4 U1.11 U2.1 U2.5 U2.8 U2.10 U2.14 U2.15 U2.16 U2.17 U2.18 U2.19 U2.20 U2.29

## Polygon pours and split planes (outlines as drawn)
BATT- on Top Signal "BATT-_L01_P011" (solid, remove dead copper, pour order 11): 6.4,2009.05 2565.4,2009.05 2565.4,-97.6 6.4,-97.6
NetC20_1 on Top Signal "NETC20_1_L01_P007" (solid, pour order 7): 1150,1142 1150,1025 1360,1025 1360,920 1200,920 1200,855 1262,855 1262,795 1448,795 1448,1142
BATT+ on VCC "BATT+_L03_P001" (solid, remove dead copper, pour order 1): 6,2008 2565,2008 2565,-98.65 6,-98.65
BATT- on GND "BATT-_L02_P000" (solid, remove dead copper, pour order 0): 6,2008 2565,2008 2565,-100 6,-100
BATT- on Bottom Signal "BATT-_L04_P008" (solid, remove dead copper, pour order 8): 6,2008 2565,2008 2565,-98.65 6,-98.65

## Keep-outs
Keep-Out Layer:
  lines w10: 4.74,1930 5.5,-20 ccw(c84.4,-20.68) 83.72,-99.58 ; 4.78,1929.42 cw(c83.68,1930.1) 83,2009 2488,2009.93 cw(c2487.32,1931.04) 2566.22,1930.35 ; 84,-100 2489,-99.07 ; 2488.72,-98.65 ccw(c2488.04,-19.75) 2566.93,-19.07 ; 2566.19,1930 2566.94,-20

## Silkscreen, mask and mechanical layers (free items; w line width, h text height)
Top Overlay:
  drawing of 10 lines, arcs and shapes, not listed
  text "4S Battery Management System / Muhammad Tanveer / Seungmin Hong / April 2022 / Rev 1" at 1863,179 h50
  text "BOOT" at 835,-45 h60